# Altium PCB MiniPC.PcbDoc (part 9 of 22)
Units mm, origin at the board's own origin, x right, y up, seen from the top; angles counter-clockwise.
Board outline 175 x 155 mm, 16 copper layers (1_Top, 2_int1_(gnd), 3_int2_(power), 4_int3_(gnd), 5_int4_(sign), 6_int5_(power), 7_int6_(sign), 8_int7_(power), 9_int8_(gnd), 10_int9_(sign), 11_int10_(gnd), 12_int11_(sign), 13_int12_(gnd), 14_int13_(power), 15_int14_(gnd), 16_Bottom), stack 2.008 mm thick; 1046 components, 837 nets, 6010 pads, 3950 vias.
Unrouted connection lines stored in the file: 585.
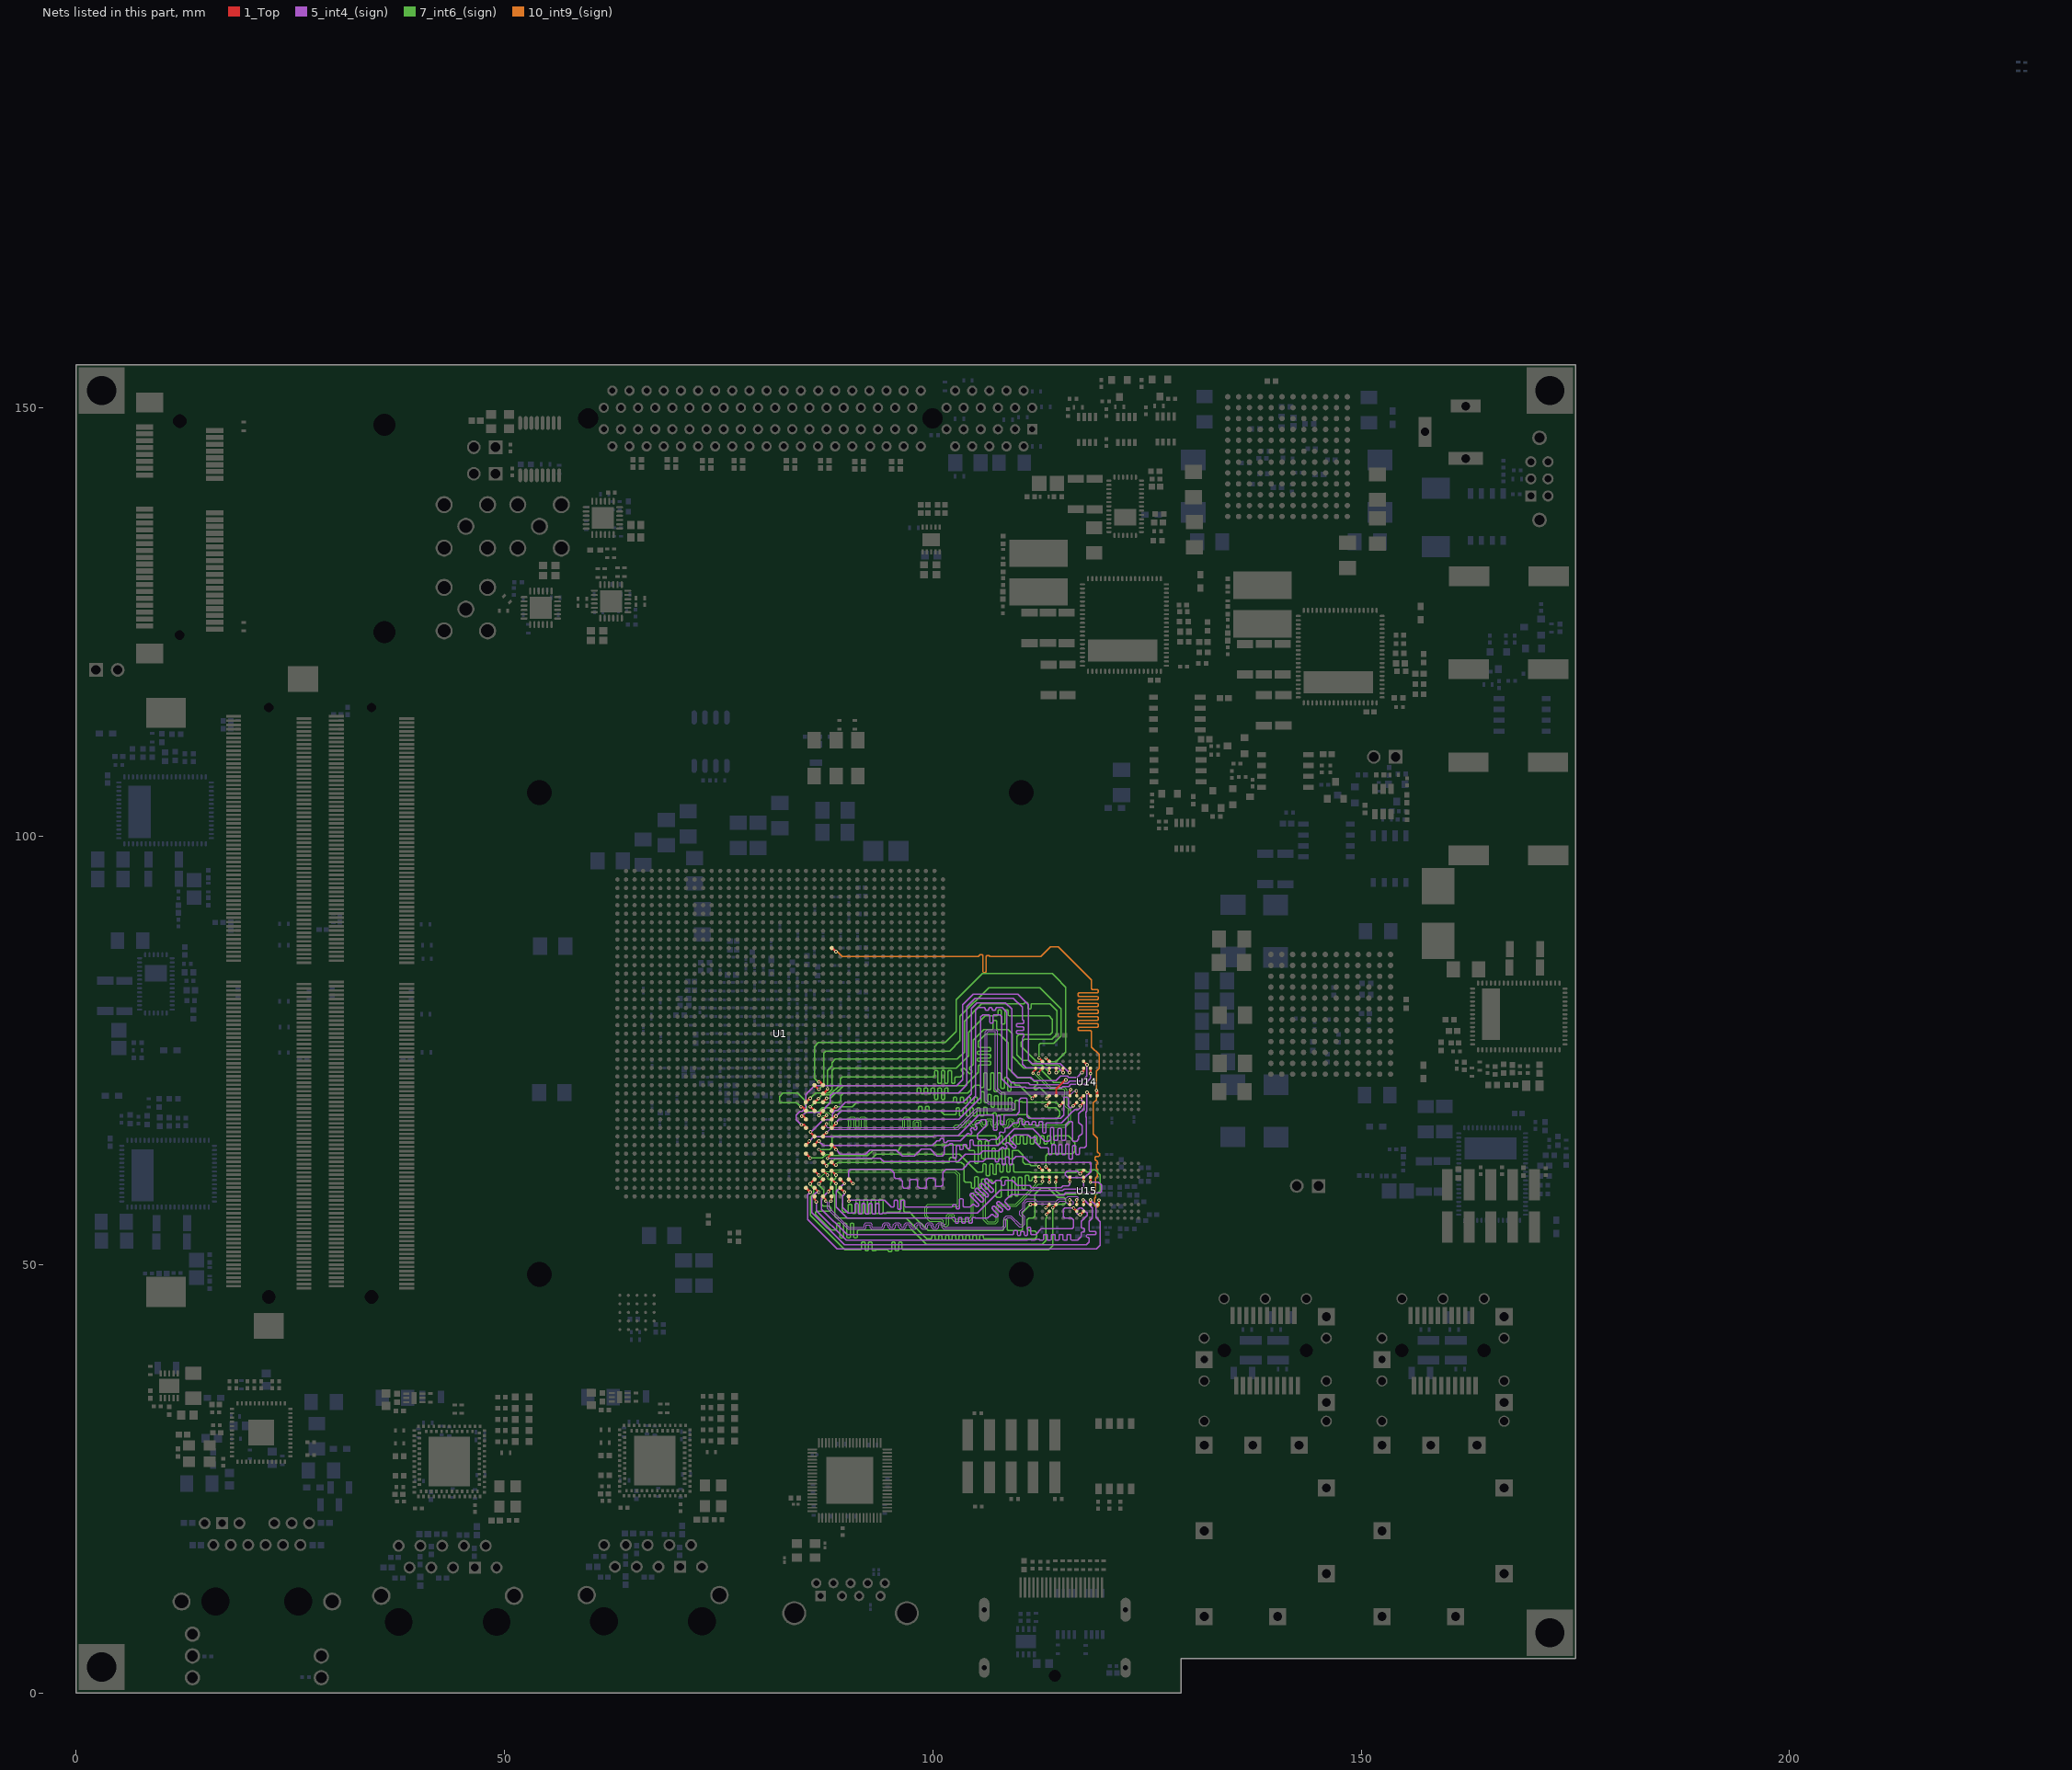
[diagram p23: the nets of this part, all layers, seen from the top]

## Via types
v1: diameter 0.4, hole 0.2, 1_Top to 16_Bottom, tented both sides, 1651 vias
v2: diameter 0.5, hole 0.2, 1_Top to 16_Bottom, tented both sides, 983 vias
v3: diameter 0.7, hole 0.3, 1_Top to 16_Bottom, tented both sides, 915 vias
v4: diameter 0.6, hole 0.2, 1_Top to 16_Bottom, tented both sides, 278 vias
v5: diameter 0.4, hole 0.2, 1_Top to 16_Bottom, 78 vias
v6: diameter 0.4/0/0/0/0/0/0/0/0/0/0/0/0/0/0/0.4 (per signal layer), hole 0.2, 1_Top to 16_Bottom, tented both sides, 18 vias
v7: diameter 0.5, hole 0.254, 1_Top to 16_Bottom, tented both sides, 15 vias
v8: diameter 0.4/0/0/0/0/0/0/0/0/0/0/0.4/0.4/0.4/0.4/0.4 (per signal layer), hole 0.2, 1_Top to 16_Bottom, tented both sides, 10 vias
v9: diameter 0.5, hole 0.2, 1_Top to 16_Bottom, 2 vias

## Nets (pads, with @x,y where several pads share a name; then routed paths per layer and width w, separated by ;. In a path a pad name is that pad's centre, name@x,y a point inside that pad or via, vN(x,y) a via of type N, cw(c..) or ccw(c..) an arc to the next point about the centre after c; other vN are vias at no path point) (continued)
DDR4_DM2: U1.AK23 U14.E7 | length 53.8
  1_Top w0.25: v1(84.7,67.3) 84.8,67.4 85.194,67.006 U1.AK23@85.194,66.939 ; v1(115.2,72.4) U14.E7@115.2,72.9
  5_int4_(sign) w0.15: v1(84.7,67.3) 85.18,67.78 86.935,67.78 88.045,68.89 88.045,69.675 88.4,70.03 103.02,70.03 103.99,71 103.99,80.107 104.943,81.06 109.41,81.06 110.44,80.03 110.44,78.72 110.44,78.62 110.54,78.52 110.64,78.42 110.64,78.22 110.54,78.12 110.44,78.12 109.87,78.12 109.77,78.02 109.77,77.82 109.87,77.72 110.44,77.72 110.5,77.72 110.6,77.62 110.6,77.42 110.5,77.32 110.44,77.32 109.87,77.32 109.77,77.22 109.77,77.02 109.87,76.92 110.44,76.92 110.5,76.92 110.6,76.82 110.6,76.62 110.5,76.52 ; 110.51,76.52 110.531,76.52 ; 110.54,76.52 110.44,76.42 110.44,75.65 110.44,73.41 110.9,72.95 114.65,72.95 v1(115.2,72.4)
DDR4_DM3: U1.AJ26 U14.E2 | length 46.9
  1_Top w0.25: U1.AJ26@88.194,67.939 v1@88.677,68.423 ; v1(114.8,68.5) U14.E2@115.2,68.9
  7_int6_(sign) w0.15: v1(88.7,68.4) 90.6,68.4 91.2,69 102.21,69 102.31,69 102.41,69.1 102.41,69.4 102.51,69.5 102.71,69.5 102.81,69.4 102.81,69 102.81,68.906 102.91,68.806 103.11,68.806 103.21,68.906 103.21,69 103.21,69.4 103.31,69.5 103.51,69.5 103.61,69.4 103.61,69 103.61,68.906 103.71,68.806 103.91,68.806 104.01,68.906 104.01,69 104.01,69.4 104.11,69.5 104.31,69.5 104.41,69.4 104.41,69 104.41,68.906 104.51,68.806 104.71,68.806 104.81,68.906 104.81,69 104.81,69.41 104.91,69.51 105.11,69.51 105.21,69.41 105.21,69 105.21,68.906 105.31,68.806 105.51,68.806 105.61,68.906 105.61,69 105.61,70.048 105.71,70.148 105.91,70.148 106.01,70.048 106.01,69 106.11,68.9 106.31,68.9 106.41,69 106.41,69.77 106.51,69.87 106.71,69.87 106.81,69.77 106.81,69 106.81,68.466 106.91,68.366 107.11,68.366 107.21,68.466 107.21,69 107.21,69.57 107.31,69.67 107.51,69.67 107.61,69.57 107.61,69 107.61,68.169 107.71,68.069 107.91,68.069 108.01,68.169 108.01,69 108.01,69.938 108.11,70.038 108.31,70.038 108.41,69.938 108.41,69 108.41,68.14 108.51,68.04 108.71,68.04 108.81,68.14 108.81,69 108.81,69.37 108.91,69.47 109.11,69.47 109.21,69.37 109.21,69 109.21,68.14 109.31,68.04 109.51,68.04 109.61,68.14 109.61,69 109.61,69.06 109.71,69.16 109.91,69.16 110.01,69.06 110.07,69 110.4,69 110.464,68.936 114.364,68.936 v1(114.8,68.5)
DDR4_DQ0: U1.AV26 U15.G2 | length 42.1
  1_Top w0.25: v1(87.8,58.5) 87.8,58.545 U1.AV26@88.194,58.939 ; v1(116.431,56.578) U15.G2@116.779,56.229 ; U15.G2@116.75,56.2 U15.G2@116.8,56.2
  5_int4_(sign) w0.15: v1(87.8,58.5) 87,57.7 87,56.45 89.99,53.46 109.41,53.46 ; 109.25,53.5 109.35,53.5 109.45,53.6 109.45,53.888 109.55,53.988 109.75,53.988 109.85,53.888 109.85,53.5 109.85,53.475 109.95,53.375 110.15,53.375 110.25,53.475 110.25,53.5 110.25,53.745 110.35,53.845 110.55,53.845 110.65,53.745 110.65,53.5 110.65,53.475 110.75,53.375 110.95,53.375 111.05,53.475 111.05,53.5 111.05,54.238 111.15,54.338 111.35,54.338 111.45,54.238 111.45,53.6 111.55,53.5 112,53.5 112.67,54.17 112.896,54.17 116.24,54.17 116.425,54.355 116.425,55.175 116.2,55.4 115.4,55.4 115.225,55.575 115.225,56.425 115.378,56.578 v1(116.431,56.578)
DDR4_DQ1: U1.AW28 U15.F7 | length 48
  1_Top w0.25: U1.AW28@90.194,57.939 90.194,57.406 v1(90.2,57.4) ; U15.F7@116,60.2 v1(116,59.65) ; v1(116,59.65) 116,59.6 v1(116,59.65)
  5_int4_(sign) w0.15: v1(90.2,57.4) 90.325,57.525 94.35,57.525 95.185,56.69 95.3,56.69 95.4,56.69 95.5,56.79 95.5,57.378 95.6,57.478 95.8,57.478 95.9,57.378 95.9,56.69 95.9,56.522 96,56.422 96.2,56.422 96.3,56.522 96.3,56.69 96.3,57.378 96.4,57.478 96.6,57.478 96.7,57.378 96.7,56.79 96.8,56.69 96.975,56.69 101.286,56.69 102.125,56.69 102.225,56.69 102.325,56.79 102.325,56.85 102.425,56.95 102.625,56.95 102.725,56.85 102.725,56.69 102.725,56.61 102.825,56.51 103.025,56.51 103.125,56.61 103.125,56.69 103.125,57.59 103.225,57.69 103.425,57.69 103.525,57.59 103.525,56.79 103.625,56.69 103.925,56.69 104.29,56.69 104.431,56.831 104.644,57.044 104.785,57.044 105.083,56.746 105.224,56.746 105.366,56.887 105.366,57.028 104.997,57.397 104.361,58.034 104.361,58.175 104.502,58.316 104.644,58.316 105.28,57.68 105.649,57.311 105.79,57.311 105.931,57.453 105.931,57.594 105.563,57.963 104.926,58.599 104.926,58.741 105.068,58.882 105.209,58.882 105.846,58.246 106.214,57.877 106.356,57.877 106.497,58.018 106.497,58.16 106.128,58.528 105.492,59.165 105.492,59.306 105.633,59.448 105.775,59.448 106.411,58.811 106.78,58.443 106.921,58.443 107.063,58.584 107.063,58.725 106.694,59.094 106.058,59.731 106.058,59.872 106.199,60.013 106.341,60.013 106.906,59.448 107.048,59.448 107.26,59.66 107.4,59.8 107.6,59.8 107.9,59.8 108,59.7 108,59.3 108.1,59.2 108.3,59.2 108.4,59.3 108.4,59.7 108.5,59.8 108.8,59.8 109.2,59.8 109.3,59.8 109.875,59.225 110.075,59.225 110.475,59.225 110.65,59.225 111.298,59.225 111.548,58.975 114.993,58.975 115.178,59.16 115.82,59.16 116,59.34 v1(116,59.65)
DDR4_DQ2: U1.AV24 U15.H3 | length 45.6
  1_Top w0.25: U1.AV24@86.194,58.939 v1(86.694,58.439) ; v1(117.55,57.525) 117.6,57.475 U15.H3@117.6,57
  5_int4_(sign) w0.15: v1(86.694,58.439) 86.409,58.439 85.89,57.92 85.89,56.081 89.671,52.3 116.45,52.3 116.625,52.3 116.975,52.3 117.325,52.3 117.675,52.3 117.9,52.3 118.225,52.625 118.225,52.8 118.225,53.063 118.138,53.15 118.011,53.15 117.924,53.238 117.924,53.413 118.011,53.5 118.225,53.5 118.953,53.5 119.04,53.588 119.04,53.763 118.953,53.85 118.313,53.85 118.225,53.938 118.225,54.2 118.225,54.336 118.225,54.976 118.225,55.051 118.6,55.426 118.6,56.601 118.352,56.849 118.352,56.852 117.679,57.525 v1(117.55,57.525)
DDR4_DQ3: U1.AV27 U15.H7 | length 42.1
  1_Top w0.25: U1.AV27@89.194,58.939 v1(89.694,58.439) ; v1(117.6,59.7) U15.H7@117.6,60.2
  5_int4_(sign) w0.15: v1(89.694,58.439) 89.694,58.194 89.475,57.975 89.475,56.646 90.121,56 90.725,56 90.825,56 90.925,56.1 90.925,57.013 91.025,57.113 91.225,57.113 91.325,57.013 91.325,56 91.415,55.91 91.635,55.91 91.725,56 91.725,57.013 91.825,57.113 92.025,57.113 92.125,57.013 92.125,56 92.215,55.91 92.435,55.91 92.525,56 92.525,57.013 92.625,57.113 92.825,57.113 92.925,57.013 92.925,56 93.015,55.91 93.235,55.91 93.325,56 93.325,57.013 93.425,57.113 93.625,57.113 93.725,57.013 93.725,56 93.815,55.91 94.035,55.91 94.125,56 95.75,56 105.2,56 107.89,58.69 109.461,58.69 111.111,58.69 111.192,58.61 111.39,58.61 111.395,58.605 115.146,58.605 115.331,58.79 117.29,58.79 117.6,59.1 v1(117.6,59.7)
DDR4_DQ4: U1.AW24 U15.H2 | length 45.9
  1_Top w0.25: U1.AW24@86.194,57.939 86.194,57.606 86.45,57.35 86.5,57.3 v1(86.4,57.3) ; v1(117.203,55.803) U15.H2@117.6,56.2
  5_int4_(sign) w0.15: v1(86.4,57.3) 86.4,56.292 89.882,52.81 109.93,52.81 110.159,52.81 110.617,52.81 111.05,52.81 111.075,52.835 111.144,52.903 111.464,52.903 111.533,52.835 111.558,52.81 111.922,52.81 111.991,52.879 112.06,52.947 112.38,52.947 112.449,52.879 112.518,52.81 112.838,52.81 112.907,52.879 112.907,53.424 112.976,53.493 113.296,53.493 113.365,53.424 113.365,52.879 113.434,52.81 113.754,52.81 113.823,52.879 113.823,53.424 113.892,53.493 114.212,53.493 114.281,53.424 114.281,52.879 114.35,52.81 114.67,52.81 114.739,52.879 114.739,53.424 114.808,53.493 115.128,53.493 115.197,53.424 115.197,52.879 115.266,52.81 115.586,52.81 115.655,52.879 115.655,53.424 115.724,53.493 116.044,53.493 116.113,53.424 116.113,52.879 116.182,52.81 116.885,52.81 117.325,53.25 117.325,53.425 117.325,53.725 117.425,53.825 117.615,53.825 117.715,53.925 117.715,54.125 117.615,54.225 117.425,54.225 117.325,54.325 117.325,54.425 117.325,55.025 118.01,55.71 118.01,55.99 117.825,56.175 ; v1(117.203,55.803) 116.998,55.803 116.801,56 116.801,56.301 117.1,56.6 117.399,56.6 117.824,56.175
DDR4_DQ5: U1.AU28 U15.H8 | length 48.7
  1_Top w0.25: U1.AU28@90.194,59.939 v1(90.694,59.439) ; v1(117.2,60.6) U15.H8@117.6,61
  5_int4_(sign) w0.15: v1(90.694,59.439) 90.2,59.933 90.2,60.875 90.4,61.075 95.05,61.075 95.475,60.65 95.475,60.175 95.625,60.025 96.15,60.025 96.45,59.725 96.45,59.1 96.625,58.925 97.175,58.925 97.325,59.075 97.325,59.825 97.425,59.925 98.15,59.925 98.25,59.825 98.25,59.125 98.475,58.9 99.15,58.9 99.25,59 99.25,59.85 99.5,60.1 100.05,60.1 100.3,59.85 100.3,59.175 100.375,59.1 100.975,59.1 101.15,59.275 101.15,60.725 101.55,61.125 103.475,61.125 104.34,61.99 105.85,61.99 106.2,62.34 106.68,62.34 106.88,62.34 107.18,62.34 107.28,62.24 107.28,62.043 107.38,61.943 107.58,61.943 107.68,62.043 107.68,62.24 107.78,62.34 107.98,62.34 108.08,62.24 108.08,61.761 108.18,61.661 108.38,61.661 108.48,61.761 108.48,62.34 108.48,62.439 108.58,62.539 108.78,62.539 108.88,62.439 108.88,62.34 108.88,61.761 108.98,61.661 109.18,61.661 109.28,61.761 109.28,62.24 109.38,62.34 109.46,62.34 109.73,62.61 110.589,62.61 111.299,61.9 115.547,61.9 116.253,61.9 118.35,61.9 118.45,61.8 118.45,60.851 117.724,60.125 115.75,60.125 115.425,60.45 115.425,60.675 115.65,60.9 116.85,60.9 117.15,60.6 v1(117.2,60.6)
DDR4_DQ6: U1.AV23 U15.J3 | length 46.1
  1_Top w0.25: U1.AV23@85.194,58.939 v1(85.694,58.439) ; U15.J3@118.4,57 v1(118.4,57.525)
  5_int4_(sign) w0.15: v1(85.694,58.439) 85.38,58.125 85.38,55.26 88.85,51.79 119.09,51.79 119.55,52.25 119.55,53.974 119.55,54.975 119.025,55.5 119.025,56.9 v1(118.4,57.525)
DDR4_DQ7: U1.AU27 U15.J7 | length 49.2
  1_Top w0.25: U1.AU27@89.194,59.939 v1(89.694,59.439) ; v1(118.4,59.6) U15.J7@118.4,60.2
  5_int4_(sign) w0.15: v1(89.694,59.439) 89.639,59.439 88.7,58.5 88.7,56.7 90,55.4 91.836,55.4 91.85,55.414 91.864,55.4 92.736,55.4 92.75,55.414 92.764,55.4 93.636,55.4 93.65,55.414 93.664,55.4 94.536,55.4 94.55,55.414 94.564,55.4 95.436,55.4 95.45,55.414 95.464,55.4 96.336,55.4 96.35,55.414 96.364,55.4 97.236,55.4 97.25,55.414 97.264,55.4 98.136,55.4 98.15,55.414 98.164,55.4 99.036,55.4 99.05,55.414 99.064,55.4 99.936,55.4 99.95,55.414 99.964,55.4 100.836,55.4 100.864,55.4 101.736,55.4 102,55.4 102.19,55.4 102.2,55.41 102.28,55.49 102.52,55.49 102.6,55.41 102.6,55.4 102.6,54.92 102.68,54.84 102.92,54.84 103,54.92 103,55.4 103,55.41 103.08,55.49 103.32,55.49 103.4,55.41 103.4,55.4 103.4,54.92 103.48,54.84 103.72,54.84 103.8,54.92 103.8,55.4 103.8,55.41 103.88,55.49 104.12,55.49 104.2,55.41 104.2,55.4 104.2,54.92 104.28,54.84 104.52,54.84 104.6,54.92 104.6,55.4 104.6,55.41 104.68,55.49 104.92,55.49 105,55.41 105.01,55.4 105.1,55.4 106.4,55.4 106.5,55.5 106.641,55.641 106.868,55.868 106.981,55.868 107.354,55.495 107.467,55.495 107.637,55.665 107.637,55.778 107.207,56.207 106.896,56.518 106.896,56.631 107.066,56.801 107.179,56.801 107.49,56.49 107.858,56.122 107.971,56.122 108.141,56.292 108.141,56.405 107.773,56.773 107.462,57.084 107.462,57.197 107.632,57.366 107.745,57.366 108.056,57.056 108.739,56.372 108.852,56.372 109.022,56.542 109.022,56.655 108.395,57.282 108.395,57.395 108.5,57.5 109.167,58.167 111.294,58.167 111.366,58.095 111.512,58.095 111.517,58.1 115.277,58.1 115.517,58.34 119.465,58.34 119.675,58.55 119.675,59.25 119.325,59.6 v1(118.4,59.6)
DDR4_DQ8: U1.AU26 U15.A3 | length 49.4
  1_Top w0.25: U1.AU26@88.194,59.939 v1(88.694,59.439) ; v1(111.4,57) U15.A3@112,57
  7_int6_(sign) w0.15: v1(88.694,59.439) 88.735,59.399 88.735,58.665 89.475,57.925 89.475,57.145 89.4,57.07 89.4,56.3 89.6,56.1 89.9,56.1 90.012,56.1 90.125,56.212 90.125,56.914 90.237,57.027 90.462,57.027 90.575,56.914 90.575,56.1 90.575,56.052 90.687,55.94 90.912,55.94 91.025,56.052 91.025,56.1 91.025,57.487 91.137,57.6 91.362,57.6 91.475,57.487 91.475,56.1 91.475,56.052 91.587,55.94 91.812,55.94 91.925,56.052 91.925,56.1 91.925,57.487 92.037,57.6 92.262,57.6 92.375,57.487 92.375,56.1 92.375,56.052 92.487,55.94 92.712,55.94 92.825,56.052 92.825,56.1 92.825,57.487 92.937,57.6 93.162,57.6 93.275,57.487 93.275,56.1 93.275,56.052 93.387,55.94 93.612,55.94 93.725,56.052 93.725,56.1 93.725,57.487 93.837,57.6 94.062,57.6 94.175,57.487 94.175,56.1 94.175,56.052 94.287,55.94 94.512,55.94 94.625,56.052 94.673,56.1 95.075,56.1 95.5,56.1 95.725,56.1 96.062,56.1 96.175,56.212 96.175,57.487 96.287,57.6 96.512,57.6 96.625,57.487 96.625,56.212 96.737,56.1 97.075,56.1 97.3,56.1 97.459,55.941 97.7,55.7 99.45,53.95 102.526,53.95 103.174,53.95 103.426,53.95 106.774,53.95 108.075,53.95 108.175,53.95 108.275,54.05 108.275,55.166 108.375,55.266 108.575,55.266 108.675,55.166 108.675,54.05 108.775,53.95 108.85,53.95 110.35,53.95 110.475,54.075 110.475,56.075 v1(111.4,57)
DDR4_DQ9: U1.AP23 U15.B8 | length 47.7
  1_Top w0.25: U1.AP23@85.194,62.939 85.675,62.458 v1(85.675,62.425) ; v1(112.4,61.4) U15.B8@112.8,61
  7_int6_(sign) w0.15: v1(85.675,62.425) 87.124,62.425 87.524,62.825 87.876,62.825 88.002,62.699 92.399,62.699 93,63.3 95.95,63.3 96.075,63.425 96.075,63.525 96.475,63.925 103.65,63.925 104.275,63.3 104.3,63.3 104.5,63.3 104.8,63.3 104.9,63.2 104.9,61.889 105,61.789 105.2,61.789 105.3,61.889 105.3,63.3 105.3,64.322 105.4,64.422 105.6,64.422 105.7,64.322 105.7,63.3 105.7,62.41 105.8,62.31 106,62.31 106.1,62.41 106.1,63.3 106.1,64.322 106.2,64.422 106.4,64.422 106.5,64.322 106.5,63.3 106.5,62.41 106.6,62.31 106.8,62.31 106.9,62.41 106.9,63.3 106.9,63.475 107,63.575 107.2,63.575 107.3,63.475 107.3,63.3 107.3,62.41 107.4,62.31 107.6,62.31 107.7,62.41 107.7,63.3 107.7,63.41 107.8,63.51 108,63.51 108.1,63.41 108.1,63.3 108.1,62.41 108.2,62.31 108.4,62.31 108.5,62.41 108.5,63.3 108.5,63.41 108.6,63.51 108.8,63.51 108.9,63.41 108.9,63.3 108.9,62.41 109,62.31 109.2,62.31 109.3,62.41 109.3,63.275 109.325,63.3 110,63.3 110.54,62.76 110.54,61.96 110.8,61.7 111.301,61.7 111.476,61.525 112.275,61.525 v1(112.4,61.4)
DDR4_DQ10: U1.AT26 U15.C3 | length 52
  1_Top w0.25: U1.AT26@88.194,60.939 v1(88.694,60.439) ; v1(113.2,56.6) U15.C3@113.6,57
  7_int6_(sign) w0.15: v1(88.694,60.439) 88.694,60.094 88.1,59.5 88.1,59 88.365,58.735 88.365,58.235 88.57,58.03 88.57,55.63 88.77,55.43 96.891,55.43 99.321,53 99.675,53 99.775,53 99.875,53.1 99.875,53.332 99.975,53.432 100.175,53.432 100.275,53.332 100.275,53 100.275,52.968 100.375,52.868 100.575,52.868 100.675,52.968 100.675,53 100.675,53.332 100.775,53.432 100.975,53.432 101.075,53.332 101.075,53 101.075,52.968 101.175,52.868 101.375,52.868 101.475,52.968 101.475,53 101.475,53.332 101.575,53.432 101.775,53.432 101.875,53.332 101.875,53 101.875,52.968 101.975,52.868 102.175,52.868 102.275,52.968 102.275,53 102.275,53.332 102.375,53.432 102.575,53.432 102.675,53.332 102.675,53 102.675,52.968 102.775,52.868 102.975,52.868 103.075,52.968 103.075,53 103.075,53.332 103.175,53.432 103.375,53.432 103.475,53.332 103.475,53 103.475,52.968 103.575,52.868 103.775,52.868 103.875,52.968 103.875,53 103.875,53.332 103.975,53.432 104.175,53.432 104.275,53.332 104.275,53 104.275,52.968 104.375,52.868 104.575,52.868 104.675,52.968 104.675,53 104.675,53.332 104.775,53.432 104.975,53.432 105.075,53.332 105.075,53 105.075,52.968 105.175,52.868 105.375,52.868 105.475,52.968 105.475,53 105.475,53.332 105.575,53.432 105.775,53.432 105.875,53.332 105.875,53.1 105.975,53 108.75,53 111.9,53 112.1,53.2 112.1,53.7 111.902,53.898 111.302,53.898 111,54.2 111,55.2 111.2,55.4 111.7,55.4 111.9,55.6 111.9,58.2 112.6,58.9 113.5,58.9 114.6,57.8 115.3,57.8 115.5,57.6 115.5,57.2 115.325,57.025 114.176,57.025 113.625,57.025 v1(113.2,56.6)
DDR4_DQ11: U1.AR26 U15.C7 | length 52.1
  1_Top w0.25: U1.AR26@88.194,61.939 88.539,61.594 v1(88.69,61.594) ; v1(113.6,59.6) U15.C7@113.6,60.2
  7_int6_(sign) w0.15: v1@88.69,61.679 88.941,61.93 101.9,61.93 101.95,61.98 101.95,62.35 102.075,62.475 102.525,62.475 102.675,62.325 102.675,62.05 102.795,61.93 103.349,61.93 103.64,61.639 103.64,59.76 103.825,59.575 103.9,59.575 104.1,59.575 104.4,59.575 104.5,59.475 104.5,59 104.6,58.9 104.8,58.9 104.9,59 104.9,59.575 104.9,60.166 105,60.266 105.2,60.266 105.3,60.166 105.3,59.575 105.3,59 105.4,58.9 105.6,58.9 105.7,59 105.7,59.575 105.7,59.86 105.8,59.96 106,59.96 106.1,59.86 106.1,59.575 106.1,58.9 106.2,58.8 106.4,58.8 106.5,58.9 106.5,59.575 106.5,59.749 106.6,59.849 106.8,59.849 106.9,59.749 106.9,59.675 107,59.575 107.25,59.575 107.325,59.5 107.325,58 107.525,57.8 107.9,57.8 108,57.9 108,59.679 107.949,59.73 107.949,60.04 108.104,60.196 ; 108.1,60.2 108.2,60.2 108.4,60.2 108.7,60.2 108.8,60.1 108.8,57.975 108.9,57.875 109.1,57.875 109.2,57.975 109.2,60.1 109.3,60.2 109.5,60.2 109.6,60.1 109.6,58.107 109.7,58.007 109.9,58.007 110,58.107 110,60.1 110.1,60.2 110.3,60.2 110.4,60.1 110.4,58.907 110.5,58.807 110.7,58.807 110.8,58.907 110.8,60.2 110.8,60.305 110.9,60.405 111.1,60.405 111.2,60.305 111.2,60.2 111.2,59.843 111.3,59.743 111.5,59.743 111.6,59.843 111.6,60.1 111.7,60.2 111.9,60.2 113.6,60.2 113.73,60.07 113.73,59.73 v1(113.6,59.6)
DDR4_DQ12: U1.AU25 U15.C2 | length 49.1
  1_Top w0.25: v1(86.7,59.4) 86.7,59.445 U1.AU25@87.194,59.939 ; v1(113.261,55.839) 113.261,55.861 U15.C2@113.6,56.2
  7_int6_(sign) w0.15: v1(86.7,59.4) 86.7,59.3 87.3,58.7 87.3,57.801 87,57.501 87,57 87.2,56.8 87.9,56.8 88.155,56.545 88.155,56.355 88,56.2 86.442,56.2 86.321,56.079 86.321,55.821 88.142,54 88.575,54 88.675,54 88.775,54.1 88.775,54.742 88.875,54.842 89.075,54.842 89.175,54.742 89.175,54 89.175,53.178 89.275,53.078 89.475,53.078 89.575,53.178 89.575,54 89.575,54.742 89.675,54.842 89.875,54.842 89.975,54.742 89.975,54 89.975,53.178 90.075,53.078 90.275,53.078 90.375,53.178 90.375,54 90.375,54.742 90.475,54.842 90.675,54.842 90.775,54.742 90.775,54 90.775,53.178 90.875,53.078 91.075,53.078 91.175,53.178 91.175,53.9 91.275,54 91.375,54 97.6,54 99.25,52.35 112.75,52.35 113.175,52.775 113.175,55.351 113.3,55.476 113.3,55.8 v1(113.261,55.839)
DDR4_DQ13: U1.AP25 U15.C8 | length 53.5
  1_Top w0.25: v1(86.7,63.4) 86.734,63.4 U1.AP25@87.194,62.939 ; v1(113.2,61.4) U15.C8@113.6,61
  5_int4_(sign) w0.15: v1@113.1,61.5 v1(113.2,61.4)
  7_int6_(sign) w0.15: v1(86.7,63.4) 88,63.4 88.25,63.65 88.25,64.775 88.475,65 90.55,65 90.555,64.995 90.885,64.995 90.89,65 91.47,65 91.475,64.995 91.785,64.995 91.79,65 106.775,65 106.975,65 107.275,65 107.375,64.9 107.375,64.173 107.475,64.073 107.675,64.073 107.775,64.173 107.775,64.9 107.875,65 108.075,65 108.175,64.9 108.175,64.173 108.275,64.073 108.475,64.073 108.575,64.173 108.575,64.9 108.675,65 108.875,65 108.975,64.9 108.975,64.173 109.075,64.073 109.275,64.073 109.375,64.173 109.375,64.9 109.475,65 109.675,65 109.775,64.9 109.775,64.173 109.875,64.073 110.075,64.073 110.175,64.173 110.175,64.9 110.275,65 110.475,65 110.575,64.9 110.575,64.173 110.675,64.073 110.875,64.073 110.975,64.173 110.975,64.9 111.075,65 111.275,65 111.375,64.9 111.375,64.173 111.475,64.073 111.675,64.073 111.775,64.173 111.775,64.9 111.875,65 112.075,65 112.175,64.9 112.175,64.173 112.275,64.073 112.475,64.073 112.575,64.173 112.575,64.9 112.675,65 112.875,65 112.975,64.9 112.975,64.173 113.075,64.073 113.275,64.073 113.375,64.173 113.375,64.9 113.475,65 113.675,65 113.775,64.9 113.775,64.173 113.875,64.073 114.075,64.073 114.175,64.173 114.175,64.9 114.275,65 114.575,65 114.7,65 115.8,65 116.6,64.2 116.6,63.2 116.3,62.9 113.4,62.9 113.175,62.675 113.175,61.425 v1(113.2,61.4)